# Altium PCB WallLightRemote_V1.0.PcbDoc (part 2 of 3) (continued)
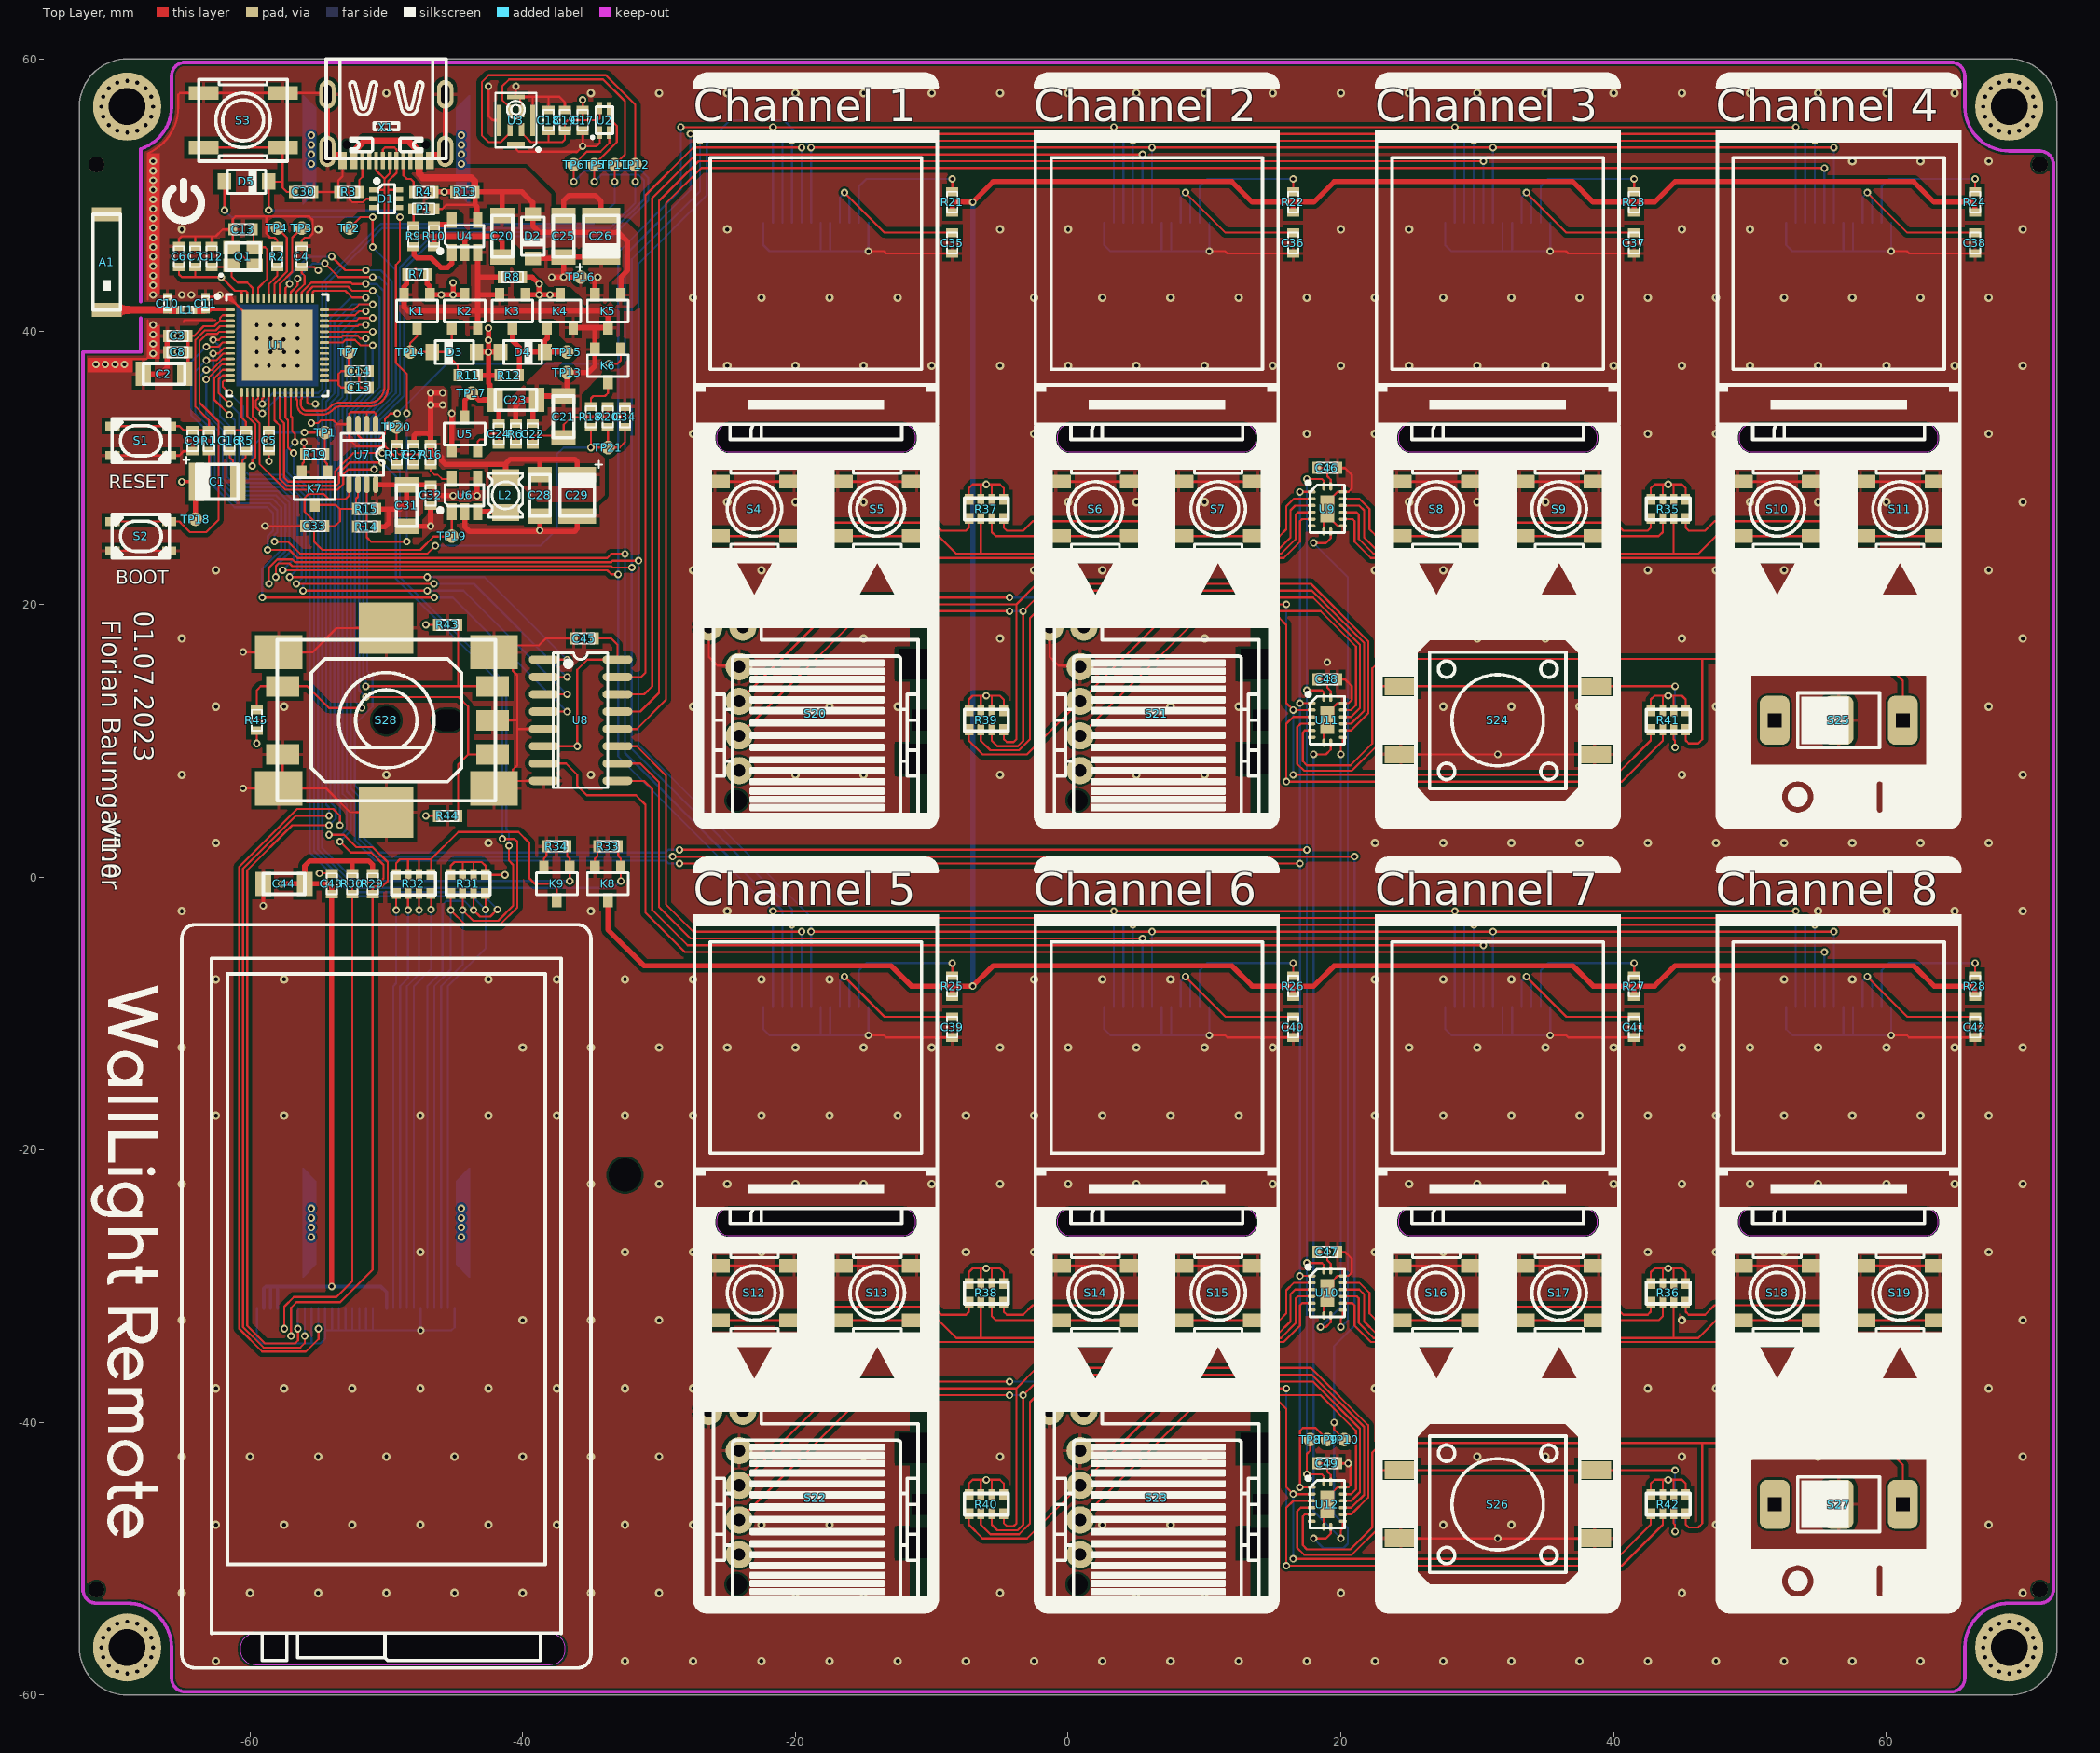
[diagram p0: Top Layer view]
## Nets (pads, with @x,y where several pads share a name; then routed paths per layer and width w, separated by ;. In a path a pad name is that pad's centre, name@x,y a point inside that pad or via, vN(x,y) a via of type N, cw(c..) or ccw(c..) an arc to the next point about the centre after c; other vN are vias at no path point) (continued)
  Bottom Layer w0.152: v2(-56.985,-33.66) -56.985,-31.6 ; v2(-54.2,3.1) -53.3,3.1 -52.9,3.5 -52.9,5.3 -53.5,5.9 -53.5,34.5 -52.9,35.1 -52.9,39.8 -52.2,40.5 v2(-51.5,40.5)
DSM_DC: P10.8 U1.42 | length 93
  Top Layer w0.152: v2(-55.985,-33.66) -55.985,-34.185 -56.3,-34.5 -59,-34.5 -60.5,-33 -60.5,0.624 -56.624,4.5 v2(-54.2,4.5) ; U1.42@-54.55,41.6 -52.4,41.6 -52,42 v2(-51,42)
  Bottom Layer w0.152: v2(-55.985,-33.66) -55.985,-31.6 ; v2(-54.2,4.5) -54.2,5.1 -54.4,5.3 -54.4,34.873 -53.8,35.473 -53.8,40.7 -52.5,42 v2(-51,42)
DSM_MOSI: P10.10 U1.40 | length 95.9
  Top Layer w0.152: v2(-54.975,-33.125) -54.975,-33.875 -55.9,-34.8 -59.1,-34.8 -60.8,-33.1 -60.8,0.749 -56.549,5 -53.9,5 -53.4,4.5 v2(-53.4,3.8) ; U1.40@-54.55,40.8 -52.2,40.8 -52,41 v2(-51,41)
  Bottom Layer w0.152: v2@-54.985,-32.985 -54.985,-31.6 ; v2(-53.4,3.8) -53.4,5.3 -53.8,5.7 -53.8,34.624 -53.2,35.224 -53.2,40.1 -52.3,41 v2(-51,41)
DSM_R\S\T\: P10.5 R30.1 U1.38 | length 88.4
  Top Layer w0.152: v2(-57.475,-33.125) -57.475,-31.5 -56.775,-30.8 -53.65,-30.8 -52.5,-29.65 R30.1@-52.5,-1.262 -52.5,-0.7 -52.2,-0.4 -50.5,-0.4 -50.2,-0.1 -50.2,0.9 -51.1,1.8 -52.6,1.8 v2(-53.4,2.6) ; U1.38@-54.55,40 v2(-51,40)
  Bottom Layer w0.152: v2@-57.485,-33.125 -57.485,-31.6 ; v2(-53.4,2.6) -52.6,3.4 -52.6,5.5 -53.2,6.1 -53.2,34.376 -52.6,34.976 -52.6,39.5 -52.1,40 v2(-51,40)
DSM_SCLK: P10.7 U1.41 | length 90.3
  Top Layer w0.152: v2(-56.475,-33.125) -56.475,-33.975 -56.7,-34.2 -58.9,-34.2 -60.2,-32.9 -60.2,0.5 -56.9,3.8 v2(-54.2,3.8) ; U1.41@-54.55,41.2 -52.3,41.2 -52,41.5 v2(-51.5,41.5)
  Bottom Layer w0.152: v2@-56.485,-33.125 -56.485,-31.6 ; v2(-54.2,3.8) -53.7,4.3 -53.7,5.1 -54.1,5.5 -54.1,34.749 -53.5,35.349 -53.5,40.4 -52.4,41.5 v2(-51.5,41.5)
GND: C1.M C2.1 C3.1 C4.1 C5.1 C6.1 C7.1 C8.1 C9.1 C10.2 C11.2 C12.2 C13.2 C14.1 C15.1 C16.1 C17.1 C18.1 C19.1 C20.1 C21.1 C22.1 C25.1 C26.M C28.1 C29.M C30.1 C31.1 C32.1 C33.1 C34.1 C35.1 C36.1 C37.1 C38.1 C39.1 C40.1 C41.1 C42.1 C43.1 C44.1 C45.1 C46.1 C47.1 C48.1 C49.1 D1.2 K7.S K8.S K9.S P2.1 P2.5 P2.6 P2.12 P3.1 P3.5 P3.6 P3.12 P4.1 P4.5 P4.6 P4.12 P5.1 P5.5 P5.6 P5.12 P6.1 P6.5 P6.6 P6.12 P7.1 P7.5 P7.6 P7.12 P8.1 P8.5 P8.6 P8.12 P9.1 P9.5 P9.6 P9.12 P10.1 P10.9 P10.11 P10.12 P10.13 P10.14 P10.15 P10.16 P10.17 P10.18 P10.25 P10.30 Q1.3 R2.1 R3.2 R4.2 R5.1 R10.1 R13.1 R17.1 R19.1 R20.1 R33.1 R34.1 S1.2 S2.2 S3.2 S4.2 S5.2 S6.2 S7.2 S8.2 S9.2 S10.2 S11.2 S12.2 S13.2 S14.2 S15.2 S16.2 S17.2 S18.2 S19.2 S20.4 S20.6 S21.4 S21.6 S22.4 S22.6 S23.4 S23.6 S24.2 S25.2 S26.2 S27.2 S28.2 S28.5 S28.6 U1.PAD U2.1 U3.2 U3.5 U4.2 U5.1 U6.2 U7.1 U7.2 U7.4 U8.5 U8.8 U9.8 U9.10 U9.15 U9.PAD U10.8 U10.15 U10.PAD U11.8 U11.15 U11.PAD U12.8 U12.15 U12.PAD X1.A1B12 X1.B1A12 X1.G1 X1.G2 X1.G3 X1.G4 | length 643.6
  Top Layer w0.152: -71.825,38 -67.589,38 -67.5,38.089 -67.5,40.843 ; S2.2@-70.075,23.925 S2.2@-65.925,23.925 ; S1.2@-70.075,30.925 S1.2@-65.925,30.925 -65.175,30.925 -64.862,31.238 C9.1@-64.2,31.238 ; -67.5,42.35 -67.5,53.063 ccw(c-69,56.5) -65.25,56.5 -65.25,57.375 -65.125,57.5 S3.2@-63.4,57.5 S3.2@-57.6,57.5 -54.42,57.5 X1.G3@-54.32,57.4 ; C6.1@-65.2,46.262 -65.2,46.8 -65,47 -64,47 ; -64.9,40.7 -64.757,40.843 -62.56,40.843 ; C7.1@-64,46.262 -64,47 ; C11.2@-63.25,42.555 -61.555,42.555 v2(-59.5,40.5) v2(-58.5,39.5) U1.PAD@-58,39 ; C12.2@-62.8,46.262 -62.8,47 ; C16.1@-61.5,31.238 -61.481,31.219 -61.481,30.781 -61.236,30.536 -61.236,29.36 C1.M@-60.9,29.024 ; Q1.3@-61.138,46.138 -60.726,45.726 ; C1.M@-60.876,29 C1.M@-60.9,29.024 ; v2(-60.5,6.5) S28.6@-57.9,6.5 ; v2(-60.5,16.5) S28.6@-57.9,16.5 -55.4,16.5 -53.65,18.25 S28.6@-50,18.25 ; R5.1@-60.291,31.247 -60.309,31.229 -60.309,30.791 -60.554,30.546 -60.554,29.37 C1.M@-60.9,29.024 ; Q1.3@-59.964,44.964 -60.274,45.274 ; Q1.3@-59.65,44.85 -60.074,45.274 -60.274,45.274 ; v2(-58.9,25.75) C33.1@-56.012,25.75 ; v2@-58.6,30.526 C5.1@-58.6,31.238 ; R2.1@-58,46.262 -58,46.7 -58.2,46.9 -58.5,46.9 -58.8,47.2 -58.8,48.45 ; S28.5@-57.6,9 -57.6,6.8 S28.6@-57.9,6.5 ; K7.S@-56.2,29.7 -56.15,29.75 -56.15,30.325 -56.05,30.425 -56.05,30.962 R19.1@-56.031,30.981 ; C4.1@-56.2,46.262 -56.2,46.7 -56,46.9 -55.7,46.9 -55.4,47.2 -55.4,48.2 -55.65,48.45 -58.8,48.45 ; v2(-56.031,31.881) R19.1@-56.031,30.981 ; R19.1@-56.012,31 R19.1@-56.031,30.981 ; v2(-55.5,33.3) -55,33.3 -54.8,33.5 -53.9,33.5 -53.6,33.2 U7.4@-52.725,33.2 ; C30.1@-55.288,50.25 R3.2@-53.512,50.25 ; v2(-54.9,0.275) -54.013,0.275 C43.1@-54,0.262 ; X1.B1A12@-53.2,52.55 -53.2,51.4 -53.512,51.088 R3.2@-53.512,50.25 ; U7.2@-51.425,33.2 -51.425,34.075 -51.4,34.1 ; C15.1@-51.238,35.9 -51.875,35.9 -52,36.025 v2(-52,37.1) C14.1@-51.238,37.1 ; D1.2@-50.95,49.75 -51.45,49.75 -51.7,49.5 -52.5,49.5 -52.7,49.7 -52.7,50.1 -52.85,50.25 R3.2@-53.512,50.25 ; U7.1@-50.775,33.2 -50.775,33.975 -50.9,34.1 -51.4,34.1 ; S28.6@-50,4.75 -52.65,4.75 -54.4,6.5 S28.6@-57.9,6.5 ; R17.1@-49.395,30.383 R17.1@-49.25,30.238 -49.25,30.75 -50.1,31.6 -52.2,31.6 -52.725,32.125 U7.4@-52.725,33.2 ; v2(-42.5,58) -42.5,55.8 -42.2,55.5 U3.5@-41.725,55.5 ; S28.2@-42.2,11.5 -40.4,11.5 ; v2(-40.5,58) U3.5@-40.5,57.225 U3.5@-40.284,57.225 ; U3.5@-40.186,53.676 -40.284,53.775 U3.5@-40.5,53.775 -40.5,53.4 -40.3,53.2 -36,53.2 v2(-35.6,53.6) ; U3.2@-40.075,56.175 -40.075,56.8 -40.186,56.911 -40.186,57.126 U3.5@-40.284,57.225 ; U3.5@-39.275,55.5 -39.275,57.225 ; C22.1@-39.25,31.738 -39.25,32.2 -39.075,32.375 -37.149,32.375 C21.1@-37,32.226 -37,33.175 -36.45,33.725 -33.775,33.725 ; K9.S@-38.45,0.7 -38.45,1.35 -38.262,1.538 R34.1@-38.262,2.25 ; U8.8@-38.45,7.055 S28.6@-41.329,7.055 ; U8.5@-38.45,10.865 -40.365,10.865 -40.4,10.9 ; C18.1@-38.1,56.262 -38.1,57.225 ; C19.1@-36.9,56.262 -36.9,56.8 -37.325,57.225 -38.1,57.225 ; C45.1@-36.262,17.5 -38.3,17.5 -38.8,17 -41.6,17 S28.6@-42.1,16.5 -41.884,16.5 -40.711,15.326 -40.711,15.111 -40.4,14.8 -40.4,11.5 ; C17.1@-35.6,54.738 v2(-35.6,53.6) ; K8.S@-34.7,0.7 -34.7,1.35 -34.512,1.538 R33.1@-34.512,2.25 ; U2.1@-34.35,54.6 -34.35,53.85 -34.6,53.6 v2(-35.6,53.6) ; R20.1@-33.75,34.512 -33.75,33.75 -33.775,33.725 ; C34.1@-32.5,34.512 -32.5,33.95 -32.725,33.725 -33.775,33.725 ; S20.6@-26.35,18.325 -26.35,16.15 -25.7,15.5 S20.4@-24.19,15.5 ; S12.2@-25.9,-28.5 S12.2@-20.1,-28.5 v2(-18.5,-28.5) S13.2@-16.9,-28.5 S13.2@-11.1,-28.5 ; S4.2@-25.9,29 S5.2@-11.1,29 ; v2(-14.65,-11.6) -13.5,-11.6 -13.338,-11.762 C39.1@-8.5,-11.762 ; v2(-14.65,45.9) -13.5,45.9 -13.338,45.738 C35.1@-8.5,45.738 ; S21.6@-1.35,18.325 -1.35,16.15 -0.7,15.5 0.81,15.5 S21.4@0.875,15.435 ; S14.2@-0.9,-28.5 S14.2@4.9,-28.5 v2(6.5,-28.5) S15.2@8.1,-28.5 S15.2@13.9,-28.5 ; S6.2@-0.9,29 S7.2@8.1,29 S7.2@13.9,29 ; v2(10.35,-11.6) 11.5,-11.6 11.662,-11.762 C40.1@16.5,-11.762 ; v2(10.35,45.9) 11.5,45.9 11.662,45.738 C36.1@16.5,45.738 ; U12.8@18.75,-47.65 18.75,-46.25 U12.PAD@19,-46 19.424,-45.576 19.424,-45.076 19.75,-44.75 U12.15@20.15,-44.75 20.55,-44.75 20.7,-44.6 20.7,-43.1 20.6,-43 C49.1@19.762,-43 ; U10.8@18.75,-32.15 18.75,-30.75 U10.PAD@19,-30.5 19.424,-30.076 19.424,-29.576 19.75,-29.25 U10.15@20.15,-29.25 20.55,-29.25 20.8,-29 20.8,-28 20.3,-27.5 C47.1@19.762,-27.5 ; U11.8@18.75,9.85 18.75,11.25 U11.PAD@19,11.5 19.424,11.924 19.424,12.424 19.75,12.75 U11.15@20.15,12.75 20.55,12.75 20.8,13 20.8,14 20.3,14.5 C48.1@19.762,14.5 ; U9.8@18.75,25.35 18.75,26.75 19.424,27.424 19.424,27.924 19.75,28.25 20.55,28.25 20.8,28.5 20.8,29.5 20.3,30 C46.1@19.762,30 ; U9.PAD@19.424,26.076 19.75,25.75 U9.10@20.15,25.75 ; S16.2@24.1,-28.5 S16.2@29.9,-28.5 v2(31.5,-28.5) S17.2@33.1,-28.5 S17.2@38.9,-28.5 ; S8.2@24.1,29 S8.2@29.9,29 S9.2@38.9,29 ; S26.2@24.4,-48.5 S26.2@38.6,-48.5 ; S24.2@24.4,9 S24.2@38.6,9 ; v2(35.35,-11.6) 36.5,-11.6 36.662,-11.762 C41.1@41.5,-11.762 ; v2(35.35,45.9) 36.5,45.9 36.662,45.738 C37.1@41.5,45.738 ; S18.2@49.1,-28.5 S18.2@54.9,-28.5 v2(56.5,-28.5) S19.2@58.1,-28.5 S19.2@63.9,-28.5 ; S10.2@49.1,29 S10.2@54.9,29 S11.2@63.9,29 ; v2(60.35,-11.6) 61.5,-11.6 61.662,-11.762 C42.1@66.5,-11.762 ; v2(60.35,45.9) 61.5,45.9 61.662,45.738 C38.1@66.5,45.738 ; -64,47 -62.8,47 ; -62.8,47 -62.5,47 -62,47.5 C13.2@-61.262,47.5 ; C13.2@-61.262,47.5 -61.262,48.238 -61.05,48.45 -58.8,48.45 ; C13.2@-61.262,47.5 -61.262,46.162 -60.826,45.726 -60.726,45.726 ; -60.726,45.726 -60.274,45.274 ; U7.4@-52.725,33.2 -52.725,33.975 -52.6,34.1 -51.4,34.1 ; S28.6@-41.329,7.055 -40.711,7.674 -40.711,7.889 -40.4,8.2 -40.4,10.9 ; S28.6@-41.329,7.055 -41.884,6.5 S28.6@-42.1,6.5 -41.545,7.055 S28.6@-41.329,7.055 ; -40.4,10.9 -40.4,11.5 ; U3.5@-40.284,57.225 -39.275,57.225 ; -39.275,57.225 -38.1,57.225
  Top Layer w0.254: v2(-59.024,-2.1) C44.1@-59.024,-0.5
  Top Layer w0.381: C2.1@-67.824,36.9 -66.55,36.9 -66.062,37.388 C8.1@-66.062,38.5 C3.1@-66.062,39.7 ; X1.G3@-54.32,57.4 X1.G4@-54.32,53.22 -54.084,52.984 -53.309,52.984 -53.2,52.875 X1.B1A12@-53.2,52.55 ; C31.1@-48.5,25.726 v2(-46.75,25.727) v2(-46.75,25.727) C32.1@-46.75,27.238 ; X1.A1B12@-46.8,52.55 -46.8,52.875 -46.69,52.984 -45.916,52.984 X1.G2@-45.68,53.22 X1.G1@-45.68,57.4 ; R10.1@-46.5,46.238 -46.5,46.8 -46.3,47 -44.3,47 ; R4.2@-46.488,50.25 v2(-45.75,50.25) R13.1@-45.012,50.25 ; U5.1@-45.2,31.3 v2(-45.2,34) ; U6.2@-44.25,26.8 -44.25,25.7 -43.9,25.35 -36.198,25.35 -35.992,25.556 C29.M@-35.992,26.468 ; U4.2@-44.25,45.8 -44.25,46.95 -44.3,47 ; C20.1@-41.5,45.476 -41.5,46.6 -41.9,47 -44.3,47 ; v2(-38.75,25.425) C28.1@-38.75,26.476 ; C25.1@-37,48.524 -37,49.6 -36.6,50 -34.7,50 -34.25,49.55 C26.M@-34.25,48.524
  Bottom Layer w0.152: -59.485,-33.015 P10.30@-59.485,-31.6 -59.5,-31.615 -59.5,-33.875 -59.175,-34.2 -55.485,-34.2 ; -55.485,-31.6 -55.485,-34.2 ; -54.485,-31.6 -54.485,-33.24 ; -53.985,-33.24 -53.985,-31.6 ; -53.485,-33.24 P10.18@-53.485,-31.6 ; -52.985,-33.24 P10.17@-52.985,-31.6 ; -52.485,-33.24 P10.16@-52.485,-31.6 ; -51.985,-33.24 P10.15@-51.985,-31.6 ; -51.485,-33.24 P10.14@-51.485,-31.6 ; -50.985,-33.24 P10.13@-50.985,-31.6 ; -47.485,-31.6 -47.485,-33.24 v2(-47.475,-33.25) ; P10.1@-44.985,-31.6 -44.985,-33.015 -45.22,-33.25 v2(-47.475,-33.25) ; P6.12@-22.35,-9.52 -22.35,-11.15 -21.9,-11.6 -18.15,-11.6 ; P2.12@-22.35,47.98 -22.35,46.35 -21.9,45.9 -18.15,45.9 ; P6.6@-18.15,-9.52 -18.15,-11.6 ; P2.6@-18.15,47.98 -18.15,45.9 ; P6.5@-17.45,-9.52 -17.45,-11.6 ; P2.5@-17.45,47.98 -17.45,45.9 ; P6.1@-14.65,-9.52 v2(-14.65,-11.6) -17.45,-11.6 ; P2.1@-14.65,47.98 v2(-14.65,45.9) -17.45,45.9 ; P7.12@2.65,-9.52 2.65,-11.15 3.1,-11.6 6.85,-11.6 ; P3.12@2.65,47.98 2.65,46.35 3.1,45.9 6.85,45.9 ; P7.6@6.85,-9.52 6.85,-11.6 ; P3.6@6.85,47.98 6.85,45.9 ; P7.5@7.55,-9.52 7.55,-11.6 ; P3.5@7.55,47.98 7.55,45.9 ; P7.1@10.35,-9.52 v2(10.35,-11.6) 7.55,-11.6 ; P3.1@10.35,47.98 v2(10.35,45.9) 7.55,45.9 ; P8.12@27.65,-9.52 27.65,-11.15 28.1,-11.6 31.85,-11.6 ; P4.12@27.65,47.98 27.65,46.35 28.1,45.9 31.85,45.9 ; P8.6@31.85,-9.52 31.85,-11.6 ; P4.6@31.85,47.98 31.85,45.9 ; P8.5@32.55,-9.52 32.55,-11.6 ; P4.5@32.55,47.98 32.55,45.9 ; P8.1@35.35,-9.52 v2(35.35,-11.6) 32.55,-11.6 ; P4.1@35.35,47.98 v2(35.35,45.9) 32.55,45.9 ; P9.12@52.65,-9.52 52.65,-11.15 53.1,-11.6 56.85,-11.6 ; P5.12@52.65,47.98 52.65,46.35 53.1,45.9 56.85,45.9 ; P9.6@56.85,-9.52 56.85,-11.6 ; P5.6@56.85,47.98 56.85,45.9 ; P9.5@57.55,-9.52 57.55,-11.6 ; P5.5@57.55,47.98 57.55,45.9 ; P9.1@60.35,-9.52 v2(60.35,-11.6) 57.55,-11.6 ; P5.1@60.35,47.98 v2(60.35,45.9) 57.55,45.9 ; -55.485,-34.2 -54.825,-34.2 -54.485,-33.86 -54.485,-33.24 ; -54.485,-33.24 -54.475,-33.25 v2(-47.475,-33.25) ; -18.15,-11.6 -17.45,-11.6 ; -18.15,45.9 -17.45,45.9 ; 6.85,-11.6 7.55,-11.6 ; 6.85,45.9 7.55,45.9 ; 31.85,-11.6 32.55,-11.6 ; 31.85,45.9 32.55,45.9 ; 56.85,-11.6 57.55,-11.6 ; 56.85,45.9 57.55,45.9
  other v1: -62.5,-57.5 -32.5,-57.5 -27.5,-57.5 -22.5,-57.5 -17.5,-57.5 -12.5,-57.5 -7.5,-57.5 -2.5,-57.5 2.5,-57.5 7.5,-57.5 12.5,-57.5 17.5,-57.5 22.5,-57.5 27.5,-57.5 32.5,-57.5 37.5,-57.5 42.5,-57.5 47.5,-57.5 52.5,-57.5 57.5,-57.5 62.5,-57.5 -65,-52.5 -60,-52.5 -55,-52.5 -50,-52.5 -45,-52.5 -40,-52.5 -35,-52.5 -30,-52.5 -20,-52.5 -15,-52.5 -5,-52.5 5,-52.5 10,-52.5 20,-52.5 25,-52.5 30,-52.5 35,-52.5 40,-52.5 45,-52.5 50,-52.5 55,-52.5 60,-52.5 65,-52.5 70,-52.5 -62.5,-47.5 -57.5,-47.5 -52.5,-47.5 -47.5,-47.5 -42.5,-47.5 -37.5,-47.5 -32.5,-47.5 -27.5,-47.5 -22.5,-47.5 -17.5,-47.5 2.5,-47.5 7.5,-47.5 27.5,-47.5 32.5,-47.5 47.5,-47.5 67.5,-47.5 -65,-42.5 -60,-42.5 -55,-42.5 -50,-42.5 -45,-42.5 -40,-42.5 -35,-42.5 -30,-42.5 -15,-42.5 -5,-42.5 10,-42.5 30,-42.5 35,-42.5 40,-42.5 45,-42.5 50,-42.5 55,-42.5 65,-42.5 70,-42.5 -62.5,-37.5 -57.5,-37.5 -52.5,-37.5 -47.5,-37.5 -42.5,-37.5 -37.5,-37.5 -32.5,-37.5 -27.5,-37.5 22.5,-37.5 27.5,-37.5 32.5,-37.5 37.5,-37.5 42.5,-37.5 47.5,-37.5 52.5,-37.5 57.5,-37.5 62.5,-37.5 67.5,-37.5 -65,-32.5 -40,-32.5 -35,-32.5 -30,-32.5 45,-32.5 70,-32.5 -47.5,-27.5 -32.5,-27.5 -27.5,-27.5 -22.5,-27.5 -7.5,-27.5 -2.5,-27.5 2.5,-27.5 22.5,-27.5 27.5,-27.5 42.5,-27.5 47.5,-27.5 52.5,-27.5 67.5,-27.5 -65,-22.5 -35,-22.5 -30,-22.5 -25,-22.5 -20,-22.5 -15,-22.5 -10,-22.5 -5,-22.5 0,-22.5 5,-22.5 10,-22.5 15,-22.5 25,-22.5 30,-22.5 35,-22.5 40,-22.5 45,-22.5 50,-22.5 55,-22.5 60,-22.5 65,-22.5 70,-22.5 -62.5,-17.5 -57.5,-17.5 -47.5,-17.5 -42.5,-17.5 -37.5,-17.5 -32.5,-17.5 -27.5,-17.5 -22.5,-17.5 -17.5,-17.5 -12.5,-17.5 -7.5,-17.5 -2.5,-17.5 2.5,-17.5 7.5,-17.5 12.5,-17.5 22.5,-17.5 27.5,-17.5 32.5,-17.5 37.5,-17.5 42.5,-17.5 47.5,-17.5 52.5,-17.5 57.5,-17.5 62.5,-17.5 67.5,-17.5 -65,-12.5 -40,-12.5 -35,-12.5 -30,-12.5 -25,-12.5 -20,-12.5 -15,-12.5 -10,-12.5 -5,-12.5 0,-12.5 5,-12.5 10,-12.5 15,-12.5 25,-12.5 30,-12.5 35,-12.5 40,-12.5 45,-12.5 50,-12.5 55,-12.5 60,-12.5 65,-12.5 70,-12.5 -62.5,-7.5 -57.5,-7.5 -42.5,-7.5 -37.5,-7.5 -32.5,-7.5 -27.5,-7.5 -22.5,-7.5 -17.5,-7.5 -2.5,-7.5 2.5,-7.5 7.5,-7.5 22.5,-7.5 27.5,-7.5 32.5,-7.5 47.5,-7.5 52.5,-7.5 57.5,-7.5 -65,-2.5 -35,-2.5 -25,-2.5 55,-2.5 60,-2.5 65,-2.5 70,-2.5 -62.5,2.5 -42.5,2.5 22.5,2.5 27.5,2.5 32.5,2.5 37.5,2.5 42.5,2.5 47.5,2.5 52.5,2.5 57.5,2.5 62.5,2.5 67.5,2.5 -65,7.5 -50,7.5 -35,7.5 -20,7.5 -15,7.5 -5,7.5 5,7.5 10,7.5 45,7.5 50,7.5 55,7.5 60,7.5 65,7.5 70,7.5 -62.5,12.5 -57.5,12.5 -27.5,12.5 -17.5,12.5 -12.5,12.5 7.5,12.5 12.5,12.5 27.5,12.5 32.5,12.5 37.5,12.5 47.5,12.5 67.5,12.5 -65,17.5 -15,17.5 -5,17.5 10,17.5 25,17.5 30,17.5 35,17.5 40,17.5 45,17.5 50,17.5 55,17.5 60,17.5 65,17.5 70,17.5 -62.5,22.5 -27.5,22.5 -22.5,22.5 -17.5,22.5 -12.5,22.5 -2.5,22.5 2.5,22.5 7.5,22.5 12.5,22.5 22.5,22.5 27.5,22.5 32.5,22.5 37.5,22.5 42.5,22.5 47.5,22.5 52.5,22.5 57.5,22.5 62.5,22.5 67.5,22.5 -25,27.5 -20,27.5 -15,27.5 -10,27.5 0,27.5 5,27.5 10,27.5 15,27.5 25,27.5 30,27.5 35,27.5 40,27.5 50,27.5 55,27.5 60,27.5 65,27.5 70,27.5 -27.5,32.5 -2.5,32.5 17.5,32.5 22.5,32.5 42.5,32.5 47.5,32.5 67.5,32.5 -25,37.5 -20,37.5 -15,37.5 -10,37.5 -5,37.5 0,37.5 5,37.5 10,37.5 15,37.5 20,37.5 25,37.5 30,37.5 35,37.5 40,37.5 45,37.5 50,37.5 55,37.5 60,37.5 65,37.5 70,37.5 -27.5,42.5 -22.5,42.5 -17.5,42.5 -12.5,42.5 -2.5,42.5 2.5,42.5 7.5,42.5 12.5,42.5 17.5,42.5 22.5,42.5 27.5,42.5 32.5,42.5 37.5,42.5 42.5,42.5 47.5,42.5 52.5,42.5 57.5,42.5 62.5,42.5 67.5,42.5 -65,47.5 -55,47.5 -25,47.5 -5,47.5 0,47.5 20,47.5 25,47.5 45,47.5 50,47.5 70,47.5 57.5,52.5 62.5,52.5 67.5,52.5 -50,57.5 -35,57.5 -30,57.5 -25,57.5 -20,57.5 -15,57.5 -10,57.5 -5,57.5 0,57.5 5,57.5 10,57.5 15,57.5 20,57.5 25,57.5 30,57.5 35,57.5 40,57.5 45,57.5 50,57.5 55,57.5 60,57.5 65,57.5
  other v2: 31.5,-48.5 20.525,-43 31.5,9 19,15.75 -18.5,29 6.5,29 31.5,29 56.5,29 -58.6,30.476 -59.5,37.5 -57.5,37.5 -56.5,37.5 -58.612,37.51 -71.3,37.6 -70.6,37.6 -69.9,37.6 -69.2,37.6 -67.1,38.4 -59.5,38.5 -58.5,38.5 -57.5,38.5 -56.5,38.5 -67.1,39.1 -57.537,39.437 -59.5,39.5 -56.5,39.5 -67.1,39.8 -67.1,40.5 -58.5,40.5 -57.5,40.5 -56.5,40.5 -67.1,42.7 -65,42.7 -64.3,42.7 -62.2,42.7 -67.1,43.4 -67.1,44.1 -67.1,44.8 -67.1,45.5 -67.1,46.2 -67.1,46.9 -47.975,47 -67.1,47.6 -67.1,48.3 -67.1,49 -67.1,49.7 -67.1,50.4 -67.1,51.1 -67.1,51.8 -67.1,52.5
HMI_CLK: TP9.1 U1.37 U9.2 U10.2 U11.2 U12.2 | length 193.8
  Top Layer w0.152: U1.37@-54.55,39.6 -53.3,39.6 -53.2,39.7 -52.1,39.7 -51.904,39.504 -51.504,39.504 v2(-51.5,39.5) ; v2(-28.5,1) v2(17,1) ; v2(17,-29.25) U10.2@17.85,-29.25 ; v2(17,12.75) U11.2@17.85,12.75 ; v2(17,28.25) U9.2@17.85,28.25 ; U12.2@17.85,-44.75 v2(17,-44.75) 17,-40.6 17.2,-40.4 18.15,-40.4 TP9.1@19,-41.25
  Bottom Layer w0.152: v2(-51.5,39.5) -51.5,35.7 -52.9,34.3 -52.9,6.3 -52.3,5.7 -52.3,2.676 -50.824,1.2 -29.5,1.2 -29.3,1 v2(-28.5,1) ; v2(17,-44.75) v2(17,-29.25) v2(17,12.75) v2(17,28.25)
HMI_DATA: TP10.1 U1.36 U12.9 | length 172.5
  Top Layer w0.152: U1.36@-54.55,39.2 -53.2,39.2 -53,39.4 -52.3,39.4 -51.9,39 v2(-51,39) ; v2(-29,1.5) v2(21,1.5) ; v2(18,-48.5) 18.9,-48.5 19.25,-48.15 U12.9@19.25,-47.65 ; v2(19.5,-40) 19.5,-40.5 TP10.1@20.25,-41.25
  Bottom Layer w0.152: v2(-51,39) -51,35.8 -52.6,34.2 -52.6,6.5 -52,5.9 -52,2.8 -50.7,1.5 v2(-29,1.5) ; v2(18,-48.5) 18.7,-49.2 20.2,-49.2 20.5,-48.9 20.5,-47.75 19.5,-46.75 v2(19.5,-40) 19.5,-34.4 21,-32.9 v2(21,1.5) v2@21,1.7
HMI_ENA: R44.1 S28.1 U1.45 | length 55.6
  Top Layer w0.152: U1.45@-56.2,42.45 -56.2,42.9 -55.5,43.6 -52.6,43.6 -52.5,43.5 v2(-51.5,43.5) ; v2(-51.5,13.2) -44.7,13.2 -44,12.5 -44,9 ; R44.1@-44.738,4.5 -44.738,8.262 -44,9 ; S28.1@-42.2,9 -44,9
  Bottom Layer w0.152: v2(-51.5,13.2) -52,13.7 -52,34 -50.2,35.8 -50.2,43 -50.7,43.5 v2(-51.5,43.5)
HMI_ENB: R43.1 S28.3 U1.47 | length 53.4
  Top Layer w0.152: U1.47@-57,42.45 -57,42.9 -56.5,43.4 v2(-56.5,43.9) ; v2(-54.5,45) -53.5,44 v2(-51,44) ; v2(-51.5,14) -44.738,14 ; R43.1@-44.738,18.5 -44.738,14 ; S28.3@-42.2,14 -44.738,14
  Bottom Layer w0.152: v2(-56.5,43.9) -55.4,45 v2(-54.5,45) ; v2(-51.5,14) -51.5,14.5 -51.7,14.7 -51.7,33.9 -49.9,35.7 -49.9,43.4 -50.5,44 v2(-51,44)
HMI_ENS: R45.1 S28.4 U1.44 | length 47.2
  Top Layer w0.152: R45.1@-59.5,12.262 -59.5,13.7 -59.2,14 S28.4@-57.6,14 -55.8,14 -54.2,12.4 v2(-51.8,12.4) ; U1.44@-55.8,42.45 -55.8,42.9 -55.4,43.3 -52.8,43.3 -52.5,43 v2(-51,43)
  Bottom Layer w0.152: v2(-51.8,12.4) -52.3,12.9 -52.3,34.141 -50.5,35.941 -50.5,42.5 v2(-51,43)
HMI_L\D\: TP8.1 U1.48 U9.1 U10.1 U11.1 U12.1 | length 205.5
  Top Layer w0.152: U1.48@-57.4,42.45 -57.4,43.204 v2@-57.002,43.602 ; v2(-54,45.5) -53,44.5 v2(-51.5,44.5) ; v2(-28.5,2) v2(17.5,2) ; v2(17.5,-28.3) 18.6,-28.3 18.75,-28.45 U10.1@18.75,-28.85 ; v2(17.5,13.7) 18.6,13.7 18.75,13.55 U11.1@18.75,13.15 ; v2(17.5,29.2) 18.6,29.2 18.75,29.05 U9.1@18.75,28.65 ; TP8.1@17.75,-41.25 17.75,-42.05 17.5,-42.3 v2(17.5,-43.8) 18.6,-43.8 18.75,-43.95 U12.1@18.75,-44.35
  Bottom Layer w0.152: v2(-57.1,43.5) -57.1,44.1 -55.7,45.5 v2(-54,45.5) ; v2(-51.5,44.5) -50.4,44.5 -49.6,43.7 -49.6,35.6 -51.4,33.8 -51.4,15.1 -51,14.7 -51,12.5 -52.3,11.2 -52.3,6.7 -51.7,6.1 -51.7,2.924 -50.576,1.8 -29.5,1.8 -29.3,2 v2(-28.5,2) ; v2(17.5,-43.8) v2(17.5,-28.3) v2(17.5,13.7) v2(17.5,29.2)
NetA1_1: A1.1 C10.1 L1.1 | length 5.4
  Top Layer w0.57: A1.1@-70.495,41.595 C10.1@-66.05,41.595 L1.1@-65.13,41.595
NetC9_2: C9.2 R1.1 S1.1 U1.4 | length 17.2
  Top Layer w0.152: S1.1@-70.075,33.075 S1.1@-65.925,33.075 -65.175,33.075 -64.862,32.762 C9.2@-64.2,32.762 R1.1@-63,32.762 -63,33.5 -64,34.5 -64,39.4 -63.3,40.1 -62.5,40.1 -62.2,40.4 U1.4@-61.45,40.4
NetC11_1: C11.1 L1.2 U1.1 | length 2.7
  Top Layer w0.152: C11.1@-63.25,41.595 C11.1@-63.25,41.6
  Top Layer w0.2: C11.1@-63.25,41.6 U1.1@-61.45,41.6
  Top Layer w0.57: L1.2@-64.17,41.6 C11.1@-63.25,41.6
NetC12_1: C12.1 Q1.1 U1.54 | length 4.9
  Top Layer w0.152: C12.1@-62.8,44.738 -61.462,44.738 Q1.1@-61.35,44.85 -61.35,44.05 -60.9,43.6 -60.2,43.6 -59.8,43.2 U1.54@-59.8,42.45
NetC13_1: C13.1 Q1.2 U1.53 | length 6.3
  Top Layer w0.152: C13.1@-59.738,47.5 -59.738,46.238 Q1.2@-59.65,46.15 -59.6,46.2 -58.9,46.2 -58.725,46.025 -58.725,43.875 -59.4,43.2 U1.53@-59.4,42.45
NetC14_2: C14.2 C15.2 TP7.1 U1.29 | length 4.9
  Top Layer w0.152: U1.29@-54.55,36.4 -53.5,36.4 ; C15.2@-52.762,35.9 -53.3,35.9 -53.5,36.1 -53.5,36.4 ; TP7.1@-52.75,38.5 -52.762,38.488 C14.2@-52.762,37.1 -53.3,37.1 -53.5,36.9 -53.5,36.4
NetC16_2: C16.2 R5.2 U1.15 | length 4.1
  Top Layer w0.152: C16.2@-61.5,32.762 R5.2@-60.3,32.762 -60.3,33.4 -60.6,33.7 U1.15@-60.6,35.55
NetC23_1: C23.1 C24.1 D3.A D4.A R11.1 R12.1 TP17.1 U5.3 X2.2 X2.4 | length 94.9
  Top Layer w0.381: U5.3@-44.25,33.7 -44.25,34.967 -43.75,35.467 TP17.1@-43.75,35.5 -43.717,35.5 -43.217,35 C23.1@-42.024,35 ; D3.A@-43.38,38.5 v2(-42.5,38.5) ; R11.1@-43.238,36.8 -42.5,36.8 ; v2(-42.5,40.254) v2(-42.5,39.377) v2(-42.5,38.5) ; R12.1@-41.762,36.8 -42.5,36.8 ; C24.1@-41.75,33.262 -41.75,34.726 C23.1@-42.024,35 ; D4.A@-41.62,38.5 v2(-42.5,38.5) ; -42.5,36.8 -42.5,36.2 -42.4,36.1 -42.4,35.376 C23.1@-42.024,35 ; -42.5,36.8 v2(-42.5,38.5)
  Mid-Layer 1 w0.381: v2(-55.5,-26.4) v2(-55.5,-25.7) v2(-55.5,-25) v2(-55.5,-24.3) -55.5,23.25 -46.25,32.5 -44.25,32.5 ; v2(-44.5,54.4) v2(-44.5,53.7) v2(-44.5,53) v2(-44.5,52.3) -44.5,49.9 -42.5,47.9 v2@-42.5,39.5
NetC24_2: C24.2 R6.1 U5.2 | length 5.1
  Top Layer w0.152: U5.2@-43.3,31.3 -43.3,31.95 -43.15,32.1 -42.8,32.1 -42.4,32.5 -41.75,32.5 ; C24.2@-41.75,31.738 -41.75,32.5 ; R6.1@-40.5,31.738 -40.5,32.3 -40.7,32.5 -41.75,32.5
NetC27_2: C27.2 R16.1 R17.2 TP20.1 U6.5 | length 7.9
  Top Layer w0.127: TP20.1@-49.25,33 R17.2@-49.25,31.762 -49.25,31.175 -49.075,31 -48.012,31 ; C27.2@-48,30.238 -48,30.987 -48.012,31 ; U6.5@-45.2,29.2 -45.925,29.2 -46.225,29.5 -46.475,29.5 -46.75,29.775 R16.1@-46.75,30.238 -46.847,30.335 -46.847,30.672 -47.175,31 -48.012,31
NetC30_2: C30.2 D5.K R14.1 S3.1 U7.7 | length 54.8
  Top Layer w0.152: S3.1@-63.4,53.5 S3.1@-57.6,53.5 -57.6,51 ; v2(-58.625,48.9) -58.625,50.995 D5.K@-58.63,51 -57.6,51 ; C30.2@-56.812,50.25 -57.3,50.25 -57.6,50.55 -57.6,51 ; R14.1@-52.212,25.7 -51.425,25.7 ; U7.7@-51.425,28.8 -51.425,25.7 ; v2@-49,48.5 v2(-49,48.4) -49,45.2 -49.3,44.9 -49.3,37.7 -48.5,36.9 v2(-48.5,34) ; v2(-48.5,24.6) -51.1,24.6 -51.425,24.925 -51.425,25.7
  Bottom Layer w0.152: v2(-58.625,48.9) -49.5,48.9 v2(-49,48.4) ; v2@-48.5,24.5 v2(-48.5,24.6) v2(-48.5,34)
NetC33_2: C33.2 K7.D R15.1 U7.6 | length 7.2
  Top Layer w0.152: K7.D@-55.25,27.3 -53.7,27.3 -53.4,27 ; C33.2@-54.488,25.75 -53.75,25.75 -53.4,26.1 -53.4,27 ; U7.6@-52.075,28.8 -52.075,27.9 -52.212,27.763 R15.1@-52.212,27 -52.9,27 -53.4,27